# KiCad board Farallon EtherMac LC Comm Slot Card 10Base-T v1.2D.kicad_pcb
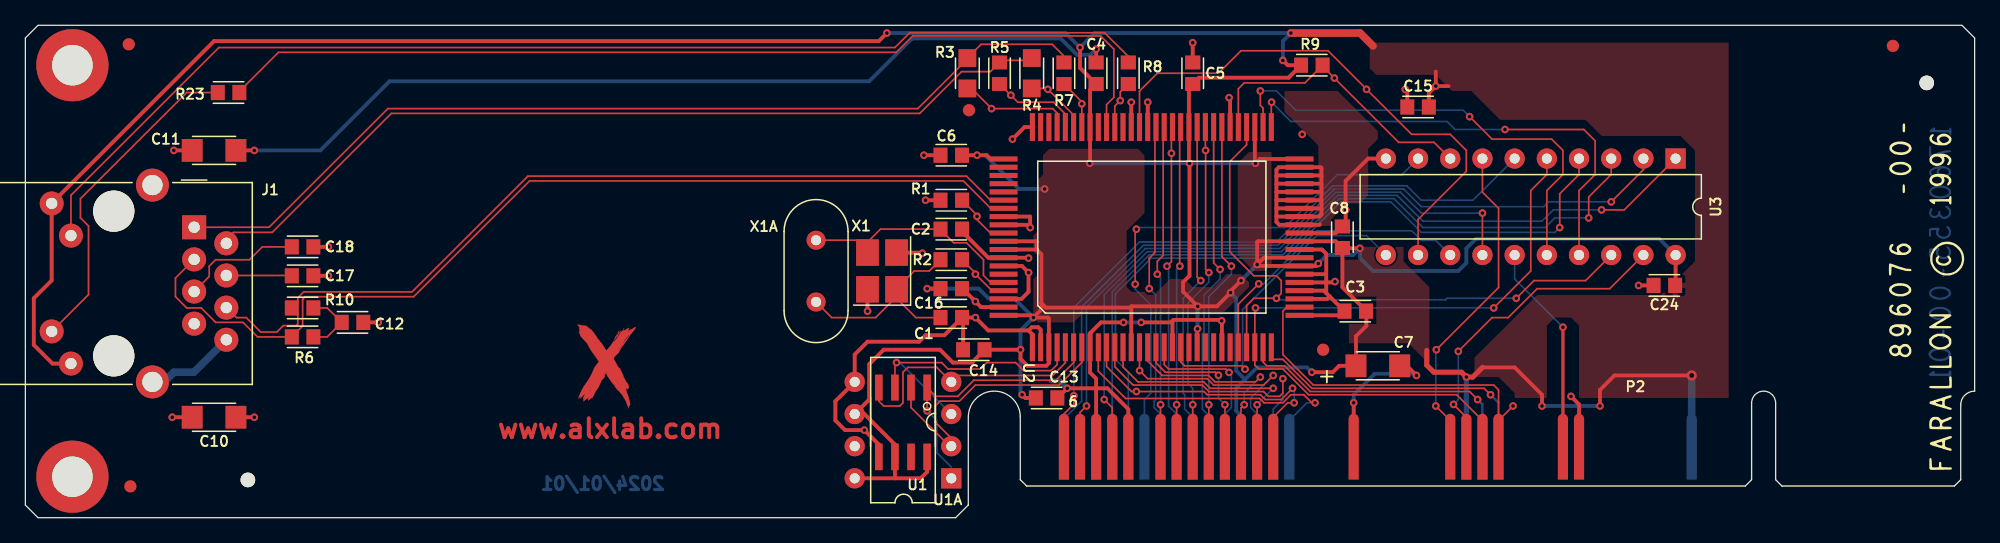
[diagram p0: board, top side]
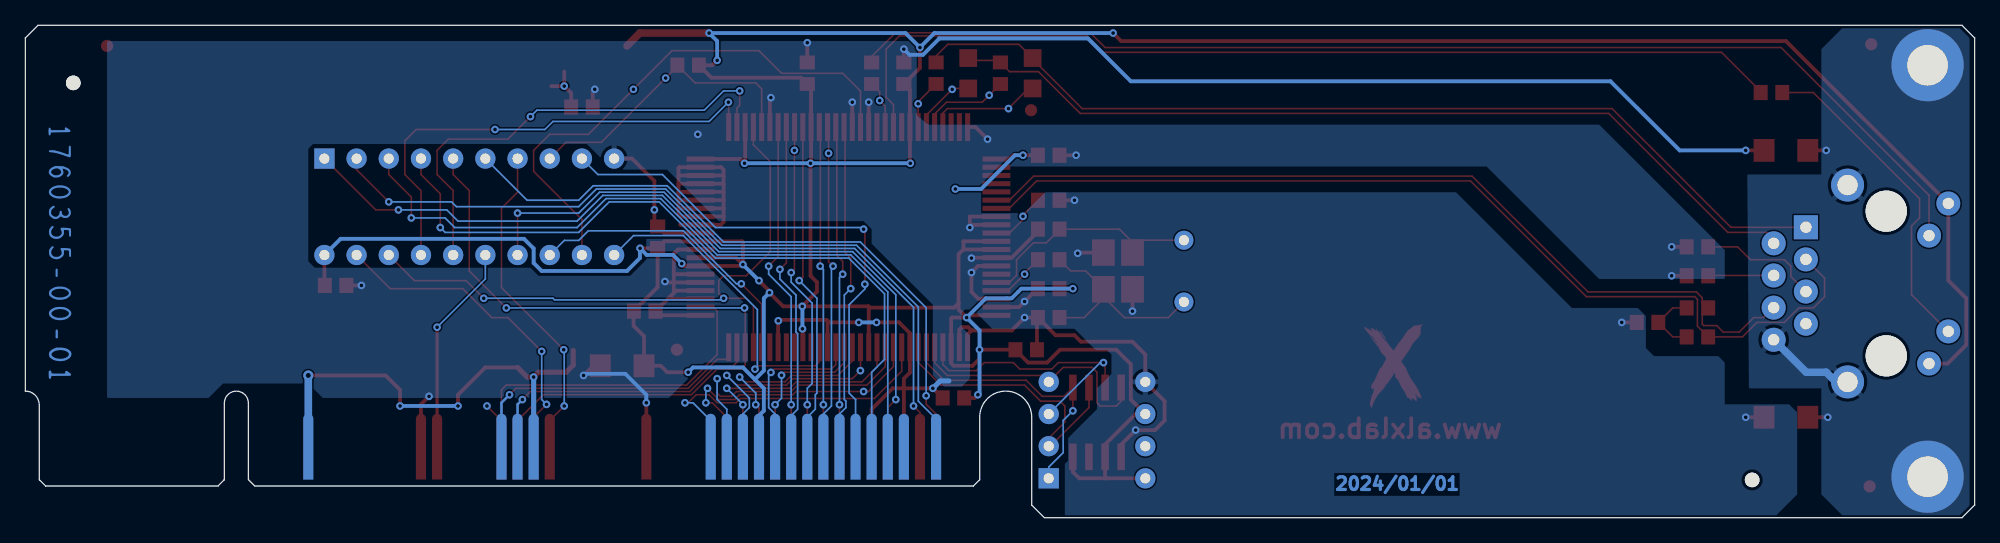
[diagram p1: board, bottom side, seen from below]

Outline 153.8 x 38.9 mm; copper layers: Top, Bottom. Coordinates in mm from the lower left corner of the outline.
Outline path: 0,37.9 0,1 1,0 73.4,0 74.4,1 74.4,7.95 arc(76.45,10) 78.5,7.95 78.5,3 79,2.5 135.7,2.5 136.2,3 136.2,9.05 arc(137.15,10) 138.1,9.05 138.1,3 138.6,2.5 152.2,2.5 152.7,3 152.7,8.9 arc(153.02,9.68) 153.8,10 153.8,37.9 152.8,38.9 1,38.9 0,37.9
Stack: Top 0.035mm / dielectric 1.51mm FR4 er 4.5 / Bottom 0.035mm

## Placement (name value [footprint] x y rotation side)
C1  22pf  [Farallon_C_0603_1608Metric_Pad1.10x1.20mm_HandSolder]  73.06 15.81 0 top
C2  22pf  [Farallon_C_0603_1608Metric_Pad1.10x1.20mm_HandSolder]  73.06 22.79 180 top
C3  0.1uf  [Farallon_C_0603_1608Metric_Pad1.10x1.20mm_HandSolder]  104.93 16.32 0 top
C4  0.1uf  [Farallon_C_0603_1608Metric_Pad1.10x1.20mm_HandSolder]  84.49 35.11 270 top
C5  0.1uf  [Farallon_C_0603_1608Metric_Pad1.10x1.20mm_HandSolder]  92.11 35.11 270 top
C6  0.1uf  [Farallon_C_0603_1608Metric_Pad1.10x1.20mm_HandSolder]  73.06 28.64 0 top
C7  100uf 6.3V  [Farallon_C_1206_3216Metric_Pad1.65x1.80mm_HandSolder]  106.71 12 0 top
C8  0.1uf  [Farallon_C_0603_1608Metric_Pad1.10x1.20mm_HandSolder]  103.92 22.16 270 top
C10  1nf 2kv  [Farallon_C_1206_3216Metric_Pad1.65x1.80mm_HandSolder]  14.89 7.94 0 top
C11  1nf 2kv  [Farallon_C_1206_3216Metric_Pad1.65x1.80mm_HandSolder]  14.89 29.02 0 top
C12  0.1uf  [Farallon_C_0603_1608Metric_Pad1.10x1.20mm_HandSolder]  25.81 15.43 0 top
C13  0.1uf  [Farallon_C_0603_1608Metric_Pad1.10x1.20mm_HandSolder]  80.58 9.46 0 top
C14  0.1uf  [Farallon_C_0603_1608Metric_Pad1.10x1.20mm_HandSolder]  74.83 13.27 0 top
C15  0.1uf  [Farallon_C_0603_1608Metric_Pad1.10x1.20mm_HandSolder]  109.89 32.45 0 top
C16  0.1uf  [Farallon_C_0603_1608Metric_Pad1.10x1.20mm_HandSolder]  73.06 18.1 180 top
C17  0.1uf  [Farallon_C_0603_1608Metric_Pad1.10x1.20mm_HandSolder]  21.87 19.11 0 top
C18  0.1uf  [Farallon_C_0603_1608Metric_Pad1.10x1.20mm_HandSolder]  21.87 21.4 0 top
C24  0.1uf  [Farallon_C_0603_1608Metric_Pad1.10x1.20mm_HandSolder]  129.32 18.35 0 top
G***  LOGO  [logo_7_front]  45.88 11.75 0 top
G***#2  LOGO  [Farallon_EtherMac_LC_Comm_Card_Back_Number]  151.03 20.89 90 top
G***#3  LOGO  [Farallon_EtherMac_LC_Comm_Card_Front_Text]  150.02 17.46 90 top
H1  MountingHole_Pad  [MountingHole_3.2mm_M3_ISO7380_Pad_TopBottom]  3.71 35.75 0 top
H2  MountingHole_Pad  [MountingHole_3.2mm_M3_ISO7380_Pad_TopBottom]  3.71 3.24 0 top
J1  J0011D21BNL  [RJ45_Pulse_J0011D21xNL]  13.32 22.95 270 top
P2  -  [Farallon_EtherMac_LC_Comm_Card_BUS_Apple_Macintosh_Comm_Slot_I]  118.7 5.51 0 top
R1  22.1k  [Farallon_R_0603_1608Metric_Pad1.10x1.20mm_HandSolder]  73.06 25.08 0 top
R2  243  [Farallon_R_0603_1608Metric_Pad1.10x1.20mm_HandSolder]  73.06 20.38 0 top
R3  61.9  [Farallon_R_0805_2012Metric_Pad1.40x1.40mm_HandSolder]  74.33 35.11 270 top
R4  61.9  [Farallon_R_0805_2012Metric_Pad1.40x1.40mm_HandSolder]  79.41 35.11 270 top
R5  243  [Farallon_R_0603_1608Metric_Pad1.10x1.20mm_HandSolder]  76.87 35.11 270 top
R6  50  [Farallon_R_0603_1608Metric_Pad1.10x1.20mm_HandSolder]  21.87 14.29 0 top
R7  243  [Farallon_R_0603_1608Metric_Pad1.10x1.20mm_HandSolder]  81.95 35.11 90 top
R8  330  [Farallon_R_0603_1608Metric_Pad1.10x1.20mm_HandSolder]  87.03 35.11 90 top
R9  243  [Farallon_R_0603_1608Metric_Pad1.10x1.20mm_HandSolder]  101.5 35.75 180 top
R10  50  [Farallon_R_0603_1608Metric_Pad1.10x1.20mm_HandSolder]  21.87 16.57 0 top
R23  330  [Farallon_R_0603_1608Metric_Pad1.10x1.20mm_HandSolder]  16.03 33.59 180 top
REF**  -  [JLCPCB_Tooling_Hole]  150.02 34.35 0 top
REF**#2  -  [JLCPCB_Tooling_Hole]  17.56 2.98 0 top
U1  93C46C  [Farallon_SOIC-8_3.9x4.9mm_P1.27mm]  69.25 7.55 270 top
U1A1  93C46C  [Farallon_DIP-8_W7.62mm]  73.06 3.11 180 top
U2  SMC91C94QFP  [PQFP-100_14x20mm_P0.65mm_LongPad]  88.88 22.16 90 top
U3  GAL16V8  [Farallon_DIP-20_W7.62mm]  130.21 28.37 270 top
X1  20Mhz 16pf  [Crystal_SMD_3225-4Pin_3.2x2.5mm_HandSoldering]  67.59 19.49 90 top
X1A1  20Mhz 16pf  [Crystal_HC49-U_Vertical]  62.39 17.04 90 top

## Library data of the parts
C1 C2 = -: LCSC: C1653; ki_fp_filters: C_*
C3-C6 C8 C12-C18 C24 = -: LCSC: C14663; ki_fp_filters: C_*
C7 = -: LCSC: C15008; ki_fp_filters: C_*
C10 C11 = -: LCSC: C9196; ki_fp_filters: C_*
H1 H2 = -: ki_fp_filters: MountingHole*Pad*
J1 = -: Datasheet: https://productfinder.pulseeng.com/doc_type/WEB301/doc_num/J403/doc_part/J403.pdf; Description: 1 Port RJ45 Magjack Connector Through Hole 10/100 Base-T, AutoMDIX, PulseJack; ki_fp_filters: RJ45*Amphenol*RJMG1BD3B8K1ANR*
P2 = -: ki_fp_filters: LQFP*14x14mm*P0.5mm*
R1 = -: LCSC: C31850; ki_fp_filters: R_*
R2 R5 R7 R9 = -: LCSC: C706060; ki_fp_filters: R_*
R3 R4 = -: LCSC: C322537; ki_fp_filters: R_*
R6 R10 = -: LCSC: C23185; ki_fp_filters: R_*
R8 R23 = -: LCSC: C23138; ki_fp_filters: R_*
U1 = -: Description: Serial EEPROM, 93 Series, with ORG Pin, 5.0V, DIP-8/SOIC-8
U1A1 = -: Datasheet: http://ww1.microchip.com/downloads/en/DeviceDoc/20001749K.pdf; LCSC: C5289485; ki_fp_filters: DIP*W7.62mm* SOIC*3.9x4.9mm*
U2 = -: Datasheet: https://www.datasheets360.com/pdf/8063401169153099823; LCSC: C639503; ki_fp_filters: LQFP*14x14mm*P0.5mm*
U3 = -: ki_fp_filters: DIP* PDIP* SOIC* SO* PLCC*
X1 = -: LCSC: C2848211; ki_fp_filters: Crystal*
X1A1 = -: ki_fp_filters: Crystal*

## Footprints (pads in the part's own frame, mm; a bottom-side part is the same pattern mirrored in y, then rotated)
Crystal_HC49-U_Vertical
  round 1.5 hole 0.8: 1(0,0) 2(4.88,0)
Crystal_SMD_3225-4Pin_3.2x2.5mm_HandSoldering
  rect 2.1x1.8 smd: 1(-1.45,-1.15) 2(1.45,-1.15) 3(1.45,1.15) 4(-1.45,1.15)
Farallon_C_0603_1608Metric_Pad1.10x1.20mm_HandSolder
  rect 1.1x1.2 smd: 1(-0.85,0) 2(0.85,0)
Farallon_C_1206_3216Metric_Pad1.65x1.80mm_HandSolder
  rect 1.65x1.8 smd: 1(-1.725,0) 2(1.725,0)
Farallon_DIP-8_W7.62mm
  rect 1.6x1.6 hole 0.8: 1(0,0)
  oval 1.6x1.6 hole 0.8: 2(0,-2.54) 3(0,-5.08) 4(0,-7.62) 5(7.62,-7.62) 6(7.62,-5.08) 7(7.62,-2.54) 8(7.62,0)
Farallon_DIP-20_W7.62mm
  rect 1.6x1.6 hole 0.8: 1(0,0)
  oval 1.6x1.6 hole 0.8: 2(0,-2.54) 3(0,-5.08) 4(0,-7.62) 5(0,-10.16) 6(0,-12.7) 7(0,-15.24) 8(0,-17.78) 9(0,-20.32) 10(0,-22.86) 11(7.62,-22.86) 12(7.62,-20.32) 13(7.62,-17.78) 14(7.62,-15.24) 15(7.62,-12.7) 16(7.62,-10.16) 17(7.62,-7.62) 18(7.62,-5.08) 19(7.62,-2.54) 20(7.62,0)
Farallon_EtherMac_LC_Comm_Card_BUS_Apple_Macintosh_Comm_Slot_I
  rrect 0.8x5.2 smd far side: 5(-36.755,0.1) 9(-34.215,0.1) 11(-32.945,0.1) 13(-31.675,0.1) 15(-30.405,0.1) 17(-29.135,0.1) 19(-27.865,0.1) 21(-26.595,0.1) 23(-25.325,0.1) 25(-24.055,0.1) 27(-22.785,0.1) 29(-21.515,0.1) 31(-20.245,0.1) 33(-18.975,0.1) 55(-5.005,0.1) 57(-3.735,0.1) 59(-2.465,0.1) 83(12.775,0.1)
  rrect 0.8x5.2 smd: 6(-36.755,0.1) 8(-35.485,0.1) 10(-34.215,0.1) 12(-32.945,0.1) 14(-31.675,0.1) 18(-29.135,0.1) 20(-27.865,0.1) 22(-26.595,0.1) 24(-25.325,0.1) 26(-24.055,0.1) 28(-22.785,0.1) 30(-21.515,0.1) 32(-20.245,0.1) 42(-13.895,0.1) 54(-6.275,0.1) 56(-5.005,0.1) 58(-3.735,0.1) 60(-2.465,0.1) 68(2.615,0.1) 70(3.885,0.1)
Farallon_R_0603_1608Metric_Pad1.10x1.20mm_HandSolder
  rect 1.1x1.2 smd: 1(-0.85,0) 2(0.85,0)
Farallon_R_0805_2012Metric_Pad1.40x1.40mm_HandSolder
  rect 1.4x1.4 smd: 1(-1.2,0) 2(1.2,0)
Farallon_SOIC-8_3.9x4.9mm_P1.27mm
  rect 2.05x0.6 smd: 1(-2.725,1.905) 2(-2.725,0.635) 3(-2.725,-0.635) 4(-2.725,-1.905)
  rect 2.1x0.6 smd: 5(2.75,-1.905) 6(2.75,-0.635) 7(2.75,0.635) 8(2.75,1.905)
JLCPCB_Tooling_Hole
  round 1.152 hole 1.152 unplated: (0,0)
MountingHole_3.2mm_M3_ISO7380_Pad_TopBottom
  round 3.6 hole 3.2: 1(0,0)
  round 5.7 smd: 1(0,0)
  round 5.7 smd far side: 1(0,0)
PQFP-100_14x20mm_P0.65mm_LongPad
  rect 2.2x0.4 smd: 1(-8.7,9.425) 2(-8.7,8.775) 3(-8.7,8.125) 4(-8.7,7.475) 5(-8.7,6.825) 6(-8.7,6.175) 7(-8.7,5.525) 8(-8.7,4.875) 9(-8.7,4.225) 10(-8.7,3.575) 11(-8.7,2.925) 12(-8.7,2.275) 13(-8.7,1.625) 14(-8.7,0.975) 15(-8.7,0.325) 16(-8.7,-0.325) 17(-8.7,-0.975) 18(-8.7,-1.625) 19(-8.7,-2.275) 20(-8.7,-2.925) 21(-8.7,-3.575) 22(-8.7,-4.225) 23(-8.7,-4.875) 24(-8.7,-5.525) 25(-8.7,-6.175) 26(-8.7,-6.825) 27(-8.7,-7.475) 28(-8.7,-8.125) 29(-8.7,-8.775) 30(-8.7,-9.425) 51(8.7,-9.425) 52(8.7,-8.775) 53(8.7,-8.125) 54(8.7,-7.475) 55(8.7,-6.825) 56(8.7,-6.175) 57(8.7,-5.525) 58(8.7,-4.875) 59(8.7,-4.225) 60(8.7,-3.575) 61(8.7,-2.925) 62(8.7,-2.275) 63(8.7,-1.625) 64(8.7,-0.975) 65(8.7,-0.325) 66(8.7,0.325) 67(8.7,0.975) 68(8.7,1.625) 69(8.7,2.275) 70(8.7,2.925) 71(8.7,3.575) 72(8.7,4.225) 73(8.7,4.875) 74(8.7,5.525) 75(8.7,6.175) 76(8.7,6.825) 77(8.7,7.475) 78(8.7,8.125) 79(8.7,8.775) 80(8.7,9.425)
  rect 0.4x2.2 smd: 31(-6.175,-11.65) 32(-5.525,-11.65) 33(-4.875,-11.65) 34(-4.225,-11.65) 35(-3.575,-11.65) 36(-2.925,-11.65) 37(-2.275,-11.65) 38(-1.625,-11.65) 39(-0.975,-11.65) 40(-0.325,-11.65) 41(0.325,-11.65) 42(0.975,-11.65) 43(1.625,-11.65) 44(2.275,-11.65) 45(2.925,-11.65) 46(3.575,-11.65) 47(4.225,-11.65) 48(4.875,-11.65) 49(5.525,-11.65) 50(6.175,-11.65) 81(6.175,11.7) 82(5.525,11.7) 83(4.875,11.7) 84(4.225,11.7) 85(3.575,11.7) 86(2.925,11.7) 87(2.275,11.7) 88(1.625,11.7) 89(0.975,11.7) 90(0.325,11.7) 91(-0.325,11.7) 92(-0.975,11.7) 93(-1.625,11.7) 94(-2.275,11.7) 95(-2.925,11.7) 96(-3.575,11.7) 97(-4.225,11.7) 98(-4.875,11.7) 99(-5.525,11.7) 100(-6.175,11.7)
RJ45_Pulse_J0011D21xNL
  round 3.25 hole 3.25 unplated: (-1.27,-6.34) (10.16,-6.34)
  rect 1.9x1.9 hole 0.9: 1(0,0)
  round 1.9 hole 0.9: 2(1.27,2.54) 3(2.54,0) 4(3.81,2.54) 5(5.08,0) 6(6.35,2.54) 7(7.62,0) 8(8.89,2.54)
  round 1.89 hole 0.89: 9(-1.88,-11.24) 10(0.66,-9.72) 11(8.23,-11.24) 12(10.77,-9.72)
  round 2.6 hole 1.6: SH(-3.33,-3.29) SH(12.22,-3.29)

## Nets
+5V: C3.2 C4.2 C5.2 C6.2 C7.1 C8.2 C13.1 C14.2 C15.2 C16.2 C24.2 J1.9 J1.12 P2.27 P2.55 P2.83 R9.2 U1.6 U1.8 U1A1.6 U1A1.8 U2.3 U2.13 U2.21 U2.37 U2.38 U2.40 U2.50 U2.53 U2.61 U2.73 U2.81 U2.91 U2.92 U2.100 U3.20
GND: C1.2 C2.1 C3.1 C4.1 C5.1 C6.1 C7.2 C8.1 C10.2 C11.2 C12.2 C13.2 C14.1 C15.1 C16.1 C17.2 C18.2 C24.1 P2.10 P2.14 P2.42 P2.70 R1.1 U1.5 U1A1.5 U2.1 U2.2 U2.8 U2.18 U2.24 U2.31 U2.33 U2.34 U2.35 U2.36 U2.39 U2.41 U2.42 U2.43 U2.44 U2.45 U2.46 U2.47 U2.48 U2.49 U2.56 U2.66 U2.68 U2.80 U2.88 U2.89 U2.93 U2.94 U2.98 U2.99 U3.10 X1.2 X1.4
//DS: P2.6 U3.6
//DSACK1: P2.8 U3.14
//IO.CS.DSACL: P2.54 U3.7
//RESET: P2.15 U3.9
//SACTO.IRQ: P2.56 U3.19
/A0: P2.58 U2.28 U3.5
/A1: P2.57 U2.29
/A2: P2.59 U2.30
/A3: P2.60 U2.32
/A11c: P2.68 U3.15
/BALE/nWE: U2.27 U2.54 U3.18
/C16M: P2.12 U3.1
/D0: P2.24 U2.57
/D1: P2.23 U2.58
/D2: P2.22 U2.59
/D3: P2.21 U2.60
/D4: P2.20 U2.62
/D5: P2.19 U2.63
/D6: P2.18 U2.64
/D7: P2.17 U2.65
/D8: P2.33 U2.9
/D9: P2.32 U2.10
/D10: P2.31 U2.11
/D11: P2.30 U2.12
/D12: P2.29 U2.14
/D13: P2.28 U2.15
/D14: P2.26 U2.16
/D15: P2.25 U2.17
/EECS: U1.1 U1A1.1 U2.6
/EED0: U1.3 U1A1.3 U2.4
/EEDI: U1.4 U1A1.4 U2.5
/EESK: U1.2 U1A1.2 U2.7
/INTR0: U2.19 U3.11
/IOSIZE(0): P2.11 U3.3
/IOSIZE(1): P2.13 U3.4
/nIORD: U2.51 U3.17
/nIOWR: U2.52 U3.16
/nLNKLED: R8.1 U2.70
/nRXLED: R23.1 U2.71
/nSBHE/nCE2: U2.26 U3.13
/nWAIT: R9.1 U2.55 U3.8
/RD+: J1.3 R6.1 U2.87
/RD-: J1.6 R10.1 U2.86
/RESET: U2.67 U3.12
/RW: P2.5 U3.2
/SHIELD: C10.1 C11.1 H1.1 H2.1 J1.8 J1.SH
/TD+: J1.1 R3.1 R7.2
/TD-: J1.2 R4.1 R5.1
Net-(C1-Pad1): C1.1 R2.1 X1.1 X1A1.1
Net-(C12-Pad1): C12.1 R6.2 R10.2
Net-(J1-GLED-): J1.10 R8.2
Net-(J1-RCT): C18.1 J1.5
Net-(J1-TCT): C17.1 J1.4
Net-(J1-YLED-): J1.11 R23.2
Net-(U2-RBIAS): R1.2 U2.90
Net-(U2-TPETXDN): R5.2 U2.76
Net-(U2-TPETXDP): R7.1 U2.74
Net-(U2-TPETXN): R4.2 U2.75
Net-(U2-TPETXP): R3.2 U2.77
Net-(U2-XTAL1): C2.2 U2.96 X1.3 X1A1.2
Net-(U2-XTAL2): R2.2 U2.97

Pads without a net: J1 7; P2 9; U1 7; U1A1 7; U2 20 22 23 25 69 72 78 79 82 83 84 85 95

## Via types
v1: diameter 0.6, hole 0.3, Top to Bottom, 127 vias
v2: diameter 0.8, hole 0.4, Top to Bottom, 1 via

## Routing (per net, layer and track width the routed paths; a pad name or vN(x,y) marks a point on that pad's centre or on a via; arc(x,y) is an arc through that point)
+5V: length 421.8
  Top w0.3: v1(124.24,8.82) 124.24,10.09 125.38,11.24 v2(131.48,11.24) ; U1A1.6 65.44,8.21 ; U1A1.6 66.58,9.33 66.58,12.13 67.72,13.27 72.17,13.27 73.18,12.25 74.68,12.25 75.7,13.27 v1(78.52,13.27) 78.52,12.55 79.07,12 80.55,12 80.76,12.21 U2.3 80.76,15.73 80.68,15.81 v1(79.53,15.81) ; U1A1.6 66.2,8.19 68.61,5.78 68.61,3.11 ; v1(92.5,16.7) 87.28,16.7 ; v1(92.5,16.7) 94.01,16.7 v1(95.09,17.78) 95.09,17.91 v1(95.92,18.73) ; v1(92.5,16.7) 91.34,17.86 91.34,18.6 91.85,19.11 v1(91.85,28) 91.81,28.05 91.81,33.96 92.6,34.76 99.66,34.76 R9.2 99.6,35.75 v1(99.22,36.13) ; 87.28,16.7 87.26,16.68 87.26,13.36 ; 87.28,16.7 87.18,16.59 80.53,16.59 80.17,16.95 ; 65.42,3.11 70.64,3.11 71.15,3.62 U1.8 ; v1(83.22,37.15) 83.22,35.53 C4.2 84.01,33.78 84.01,28.03 v1(83.98,28) 83.93,28.05 ; v1(97.19,20) 97.72,20.54 U2.38 ; v1(97.19,20) 97.19,21.78 97.24,21.84 103.39,21.84 103.94,21.28 v1(105.3,21.28) ; v1(97.19,20) 97.3,19.89 U2.37 101.82,19.89 v1(102.01,20.08) ; v1(111.28,34.1) 110.74,33.55 C15.2 ; v1(111.28,34.1) 111.28,35.24 ; v1(111.28,34.1) 112.3,34.1 ; U2.92 79.79,21.19 ; 79.79,21.19 80.17,20.81 80.17,16.95 ; 79.79,21.19 79.79,21.84 U2.91 ; C6.2 v1(75.09,28.64) 75.85,28.64 76.15,28.34 U2.81 ; v1(79.53,15.81) 79.35,15.99 U2.100 ; v1(79.53,15.81) 80.17,16.44 80.17,16.95 ; v1(78.64,9.71) 78.9,9.46 C13.1 ; 92.46,13.36 92.46,14.89 v1(92.49,14.92) 92.38,14.81 ; v1(101.5,11.49) 103.15,11.49 103.66,12 C7.1 104.99,14.34 105.81,15.16 105.81,16.32 103.92,18.21 103.92,20.98 104.2,21.26 ; 2.08,24.84 14.89,37.65 67.34,37.65 v1(67.98,38.29) ; J1.12 2.14,12.18 0.67,13.65 0.67,17.33 2.08,18.74 J1.9 ; v1(119.66,8.82) 119.66,9.71 117.51,11.87 114.97,11.87 ; U3.20 130.21,18.39 C24.2 ; U2.53 97.01,28.05 v1(97.06,28) 97.39,28.34 U2.50 ; v1(71.15,18.1) C16.2
  Top w0.4: 114.97,11.87 114.2,11.11 v1(113.7,11.11) 113.31,11.49 111.13,11.49 110.57,12.05 110.57,13.22
  Top w0.6: 106.33,37.27 105.31,38.29 v1(99.85,38.29)
  Bottom w0.3: v1(78.64,9.71) 78.52,9.84 v1(78.52,13.27) 78.52,14.79 v1(79.53,15.81) 78.01,17.33 75.98,17.33 75.21,18.1 v1(71.15,18.1) ; v1(92.5,16.7) 92.49,16.68 v1(92.49,14.92) ; 96.23,10.92 95.53,11.62 95.53,17.33 v1(95.09,17.78) ; 96.23,10.92 97.19,11.87 101.12,11.87 v1(101.5,11.49) ; 96.23,10.92 95.53,10.22 95.53,8.44 95.91,8.06 95.91,5.9 ; v1(95.92,18.73) v1(97.19,20) ; v1(75.09,28.64) 75.72,28.64 78.39,25.97 v1(80.42,25.97) ; v1(67.98,38.29) 82.07,38.29 v1(83.22,37.15) 84.36,38.29 v1(99.85,38.29) 99.22,37.65 v1(99.22,36.13) ; v1(119.66,8.82) v1(124.24,8.82) ; U3.20 128.93,22.03 114.46,22.03 113.7,21.27 113.7,20.13 113.06,19.49 106.33,19.49 105.31,20.51 105.31,21.27 v1(105.3,21.28) 104.78,20.76 102.7,20.76 v1(102.01,20.08) ; v1(97.06,28) v1(91.85,28) v1(83.98,28)
  Bottom w0.4: v1(113.69,11.11) 113.69,5.9
  Bottom w0.6: 131.47,5.9 131.47,11.24 v2(131.48,11.24)
GND: length 268.3
  Top w0.127: 74.92,17.08 v1(74.96,17.08) 74.96,17.04
  Top w0.3: C12.2 v1(27.84,15.43) ; 100.68,26.39 102.23,26.39 102.27,26.35 ; v1(86.64,15.43) 84.86,15.43 84.01,14.57 84.01,11.46 84.49,10.98 84.49,10.35 84.49,10.35 84.49,5.9 ; U2.56 95.06,33.1 v1(94.98,33.18) ; v1(77.88,29.91) 78.84,30.86 U2.80 ; 92.11,36.47 v1(92.11,37.53) ; C1.2 v1(74.96,15.81) 75.98,14.79 79.15,14.79 ; C1.2 72.51,14.41 71.02,14.41 70.52,13.9 66.45,13.9 65.44,12.89 U1A1.5 63.91,9.21 63.91,7.68 64.67,6.92 v1(66.2,6.92) 67.34,5.78 U1.5 ; C1.2 73.98,15.73 C14.1 ; C1.2 73.92,15.81 ; 102.64,17.75 102.9,17.49 ; 102.64,17.75 102.45,17.94 U2.34 ; 102.64,17.75 102.64,20.85 102.3,21.19 U2.39 ; 102.9,17.49 102.7,17.29 100.68,17.29 ; 102.9,17.49 104.06,16.33 104.06,16.32 103.73,15.99 U2.31 ; 90.58,15.62 90.39,15.43 v1(88.04,15.43) ; 90.58,15.62 94.32,15.62 v1(94.39,15.56) 94.41,15.54 U2.24 ; 90.58,15.62 90.51,15.55 U2.18 ; 79.15,14.79 79.46,14.49 U2.1 ; 79.15,14.79 79.41,15.05 79.91,15.05 80.11,14.85 U2.2 ; 87.03,5.9 87.03,8.57 85.37,10.22 v1(82.2,10.22) 81.44,9.46 C13.2 ; C15.1 109.04,33.68 v1(108.87,33.84) ; v1(88.56,32.83) U2.66 ; U2.98 78.6,17.29 79.15,17.84 v1(79.15,19.37) 78.63,19.89 U2.94 ; 102.27,26.35 102.27,26.99 ; 102.27,26.35 102.27,25.72 ; 102.27,26.99 102.27,27.62 102.2,27.69 U2.49 ; 102.27,26.99 102.21,27.04 U2.48 98.76,27.04 98.71,26.99 ; 98.71,25.08 98.72,25.09 U2.45 ; 98.71,25.08 98.71,24.45 ; 98.71,25.08 98.71,25.72 ; U2.89 79.06,23.14 v1(79.28,22.92) 79.28,23.79 U2.88 ; P2.42 104.81,9.08 v1(104.81,9.08) ; C17.2 v1(23.91,19.11) ; U2.99 75.4,16.64 v1(74.96,17.08) 73.94,18.1 C16.1 ; C6.1 v1(70.9,28.64) ; 102.26,25.09 102.27,25.08 102.27,24.45 ; 102.26,25.09 102.26,25.71 102.27,25.72 ; 102.26,25.09 100.68,25.09 ; 98.71,26.35 98.75,26.39 U2.47 ; 98.71,26.35 98.71,26.99 ; 98.71,26.35 98.71,25.72 ; C18.2 v1(23.91,21.4) ; v1(70.77,20.89) 70.72,20.94 X1.2 ; 102.27,24.45 102.26,24.44 U2.44 98.72,24.44 98.71,24.45 ; 102.27,24.45 102.27,23.94 102.12,23.79 U2.43 98.73,23.79 98.71,23.81 ; 102.27,25.72 102.24,25.74 100.68,25.74 ; 98.71,24.45 98.71,23.81 ; 66.45,18.04 X1.4 66.44,16.32 v1(66.45,16.32) ; C2.1 73.91,22.61 75.98,20.54 79.12,20.54 v1(79.15,20.51) ; v1(121.95,9.59) 122.59,8.95 122.59,5.9 ; 98.71,26.99 98.71,27.49 98.9,27.69 100.55,27.69 ; U2.46 98.73,25.74 98.71,25.72 ; 98.71,23.81 98.71,23.37 98.94,23.14 U2.42 102.1,23.14 102.14,23.18 ; C10.2 v1(18.06,7.94) ; U2.35 103.27,18.59 ; U2.36 102.64,19.24 ; C7.2 109,12 v1(109.76,11.24) ; C24.1 v1(127.28,18.35) ; U2.41 103.39,22.49 104.17,23.26 v1(104.17,24.32) 104.17,26.6 105.94,28.37 U3.10 ; R1.1 v1(71.02,25.08) ; v1(87.26,32.83) U2.68 ; 84.49,36.48 v1(84.49,37.02) ; C11.2 v1(18.06,29.02)
  Top w0.4: 103.27,18.59 v1(103.33,18.65) ; 81.44,9.47 C13.2
  Bottom w0.3: v1(18.06,29.02) 23.27,29.02 28.73,34.48 66.58,34.48 69.96,37.86 81.69,37.86 81.69,37.85 82.98,36.57 84.04,36.57 v1(84.49,37.02) ; v1(104.81,9.08) 104.81,9.71 106.46,11.36 109.63,11.36 v1(109.76,11.24) ; v1(86.64,15.43) v1(88.04,15.43)
  Bottom w0.4: 80.93,10.81 81.62,10.81 v1(82.2,10.22)
  vias: v1(100.74,30.29)
//DS: length 51.9
  Top w0.127: v1(82.73,9.63) 82.73,8.97 81.94,8.19 P2.6
  Bottom w0.127: v1(82.73,9.63) 82.73,16.59 87.91,21.78 98.71,21.78 103.15,26.22 109,26.22 110.14,25.08 114.21,25.08 U3.6
//DSACK1: length 50.2
  Top w0.127: v1(83.72,8.82) 83.22,8.32 83.22,5.61 ; v1(114.97,24.06) U3.14
  Bottom w0.127: v1(83.72,8.82) 83.72,16.62 88.37,21.27 98.96,21.27 103.41,25.72 108.49,25.72 110.14,24.06 v1(114.97,24.06)
//IO.CS.DSACL: length 25.5
  Top w0.127: 112.43,5.9 112.43,7.68 v1(111.28,8.82) ; U3.7 114.97,25.72 116.24,24.45 116.24,18.18 v1(111.32,13.27)
  Bottom w0.127: v1(111.32,13.27) 111.28,13.23 v1(111.28,8.82)
//RESET: length 42.2
  Top w0.127: v1(87.66,22.79) 87.56,22.7 v1(87.56,18.45)
  Bottom w0.127: 88.29,5.9 88.29,9.33 88.8,9.84 88.8,16.83 87.56,18.07 v1(87.56,18.45) ; v1(87.66,22.79) 87.79,22.92 99.34,22.92 103.54,27.11 108.63,27.11 U3.9
//SACTO.IRQ: length 25.7
  Top w0.127: U3.19 125.01,18.1 119.28,18.1 117,15.81 115.73,15.81 v1(113.06,13.14) 113.19,13.14 ; 113.69,5.9 113.69,7.94 v1(112.68,8.95)
  Bottom w0.127: v1(112.68,8.95) 113.06,9.33 v1(113.06,13.14)
/A0: length 58.4
  Top w0.127: 97.01,13.44 97.01,16.52 v1(97.06,16.57) ; v1(115.85,16.57) 118.78,19.49 118.78,25.84 120.05,27.11 U3.5 ; 114.97,5.9 114.97,7.68 112.93,9.71 101.25,9.71 99.22,11.75 97.31,11.75 97.01,12.05 U2.28
  Bottom w0.127: v1(115.85,16.57) v1(97.06,16.57)
/A1: length 22.9
  Top w0.127: U2.29 97.66,12.29 97.95,12 99.34,12 101.38,9.97 113.95,9.97 v1(114.58,9.33)
  Bottom w0.2: v1(114.58,9.33) 114.97,8.95 114.97,5.9
/A2: length 23.5
  Top w0.127: U2.30 98.31,12.53 98.33,12.51 99.22,12.51 101.5,10.22 115.09,10.22 v1(115.6,9.71)
  Bottom w0.2: 116.24,5.9 116.24,9.08 v1(115.6,9.71)
/A3: length 27.1
  Top w0.127: v1(117.38,8.82) 116.24,7.68 116.24,10.1 115.85,10.48 101.63,10.48 99.22,12.89 99.22,16.32 99.54,16.64 U2.32
/A11c: length 16.4
  Top w0.25: v1(121.31,15.05) 121.31,5.9
  Bottom w0.127: U3.15 117.51,18.86 v1(121.31,15.05)
/BALE/nWE: length 50.8
  Top w0.127: U2.27 96.36,16.76 96.93,17.33 v1(98.71,17.33) 99.09,17.71 99.09,18.73 98.71,19.11 96.93,19.11 95.03,21.02 95.03,28.13 96.36,29.46 U2.54 ; U3.18 123.1,18.73 119.03,18.73 v1(117.63,17.33)
  Bottom w0.127: v1(117.63,17.33) 112.17,17.33 112.04,17.21 98.84,17.21 v1(98.71,17.33)
/C16M: length 63.2
  Top w0.127: v1(85.12,9.33) 85.75,8.7 85.75,5.9 ; v1(124.36,24.32) 126.15,24.32 U3.1
  Bottom w0.127: v1(124.36,24.32) 120.55,24.32 119.66,23.43 110.27,23.43 108.23,25.46 103.54,25.46 99.09,21.02 88.52,21.02 85.12,17.61 v1(85.12,9.33)
/D0: length 26
  Top w0.127: v1(95.15,19.87) 94.41,20.62 U2.57 ; 93.38,5.9 v1(93.38,8.93)
  Bottom w0.127: v1(95.15,19.87) 95.15,19.24 93.38,17.46 v1(93.38,8.93)
/D1: length 26.1
  Top w0.127: 93.76,30.96 93.76,20.13 v1(94.26,19.62)
  Bottom w0.127: v1(94.26,19.62) 94.26,18.86 92.99,17.59 92.99,14.67 92.87,14.54 92.87,8.57 93.38,8.06 93.38,5.9
/D2: length 26.2
  Top w0.127: 92.1,5.9 92.1,8.93 v1(92.11,8.93) ; v1(93.38,19.37) 93.12,19.62 v1(93.12,29.02) ; 93.11,30.96 93.11,29.03 v1(93.12,29.02) ; v1(93.12,29.02) 93.03,28.92
  Bottom w0.127: v1(92.11,8.93) 92.11,10.22 91.72,10.6 91.72,16.95 93.38,18.6 v1(93.38,19.37)
/D3: length 26.4
  Top w0.127: 92.49,18.98 v1(92.74,18.73) 92.46,19.01 92.46,30.96
  Bottom w0.127: 92.1,5.9 92.1,7.94 91.47,8.57 91.47,9.71 91.34,9.84 91.34,17.33 v1(92.74,18.73)
/D4: length 25.2
  Top w0.127: 91.08,30.96 91.08,19.89 v1(91.09,19.87) ; 90.84,5.9 v1(90.84,8.93)
  Bottom w0.127: v1(90.84,8.93) 90.84,19.62 v1(91.09,19.87)
/D5: length 27.7
  Top w0.127: v1(90.07,19.87) 90.43,20.23 v1(90.43,28.79) 90.43,30.96
  Bottom w0.127: 90.84,8.06 90.84,5.9 90.84,8.19 90.2,8.82 90.2,19.75 v1(90.07,19.87)
/D6: length 25.4
  Top w0.127: 89.56,5.9 89.56,8.93 v1(89.57,8.93) ; 89.78,30.96 89.78,20.72 89.31,20.25 v1(89.31,19.24)
  Bottom w0.127: v1(89.57,8.93) 89.57,18.98 v1(89.31,19.24)
/D7: length 25.7
  Top w0.127: v1(88.68,18.1) 88.68,20.51 89.13,20.96 89.13,30.96
  Bottom w0.127: 89.56,5.9 89.56,8.19 89.06,8.7 89.06,9.21 89.18,9.33 89.18,17.59 v1(88.68,18.1)
/D8: length 24.9
  Top w0.127: v1(101.76,9.08) 101.5,9.08 100.87,9.71 99.85,9.71 99.22,9.08 97.73,9.08 97.39,9.42 86.81,9.42 84.66,11.57 U2.9
  Bottom w0.127: 99.72,5.9 99.72,7.68 101.12,9.08 v1(101.76,9.08)
/D9: length 23
  Top w0.127: U2.10 85.31,11.94 87.28,9.97 v1(87.66,9.97) 92.99,9.97 93.25,9.71 97.45,9.71 97.83,9.33 99.09,9.33 v1(99.98,10.22) ; v1(100.11,9.08) 99.6,9.08 98.46,7.94 98.46,5.9
  Bottom w0.127: v1(100.11,9.08) 100.11,10.09 v1(99.98,10.22)
/D10: length 22.4
  Top w0.127: v1(99.22,10.98) 99.22,9.84 98.96,9.59 98.07,9.59 97.69,9.97 93.38,9.97 92.87,10.48 87.41,10.48 85.96,11.93 U2.11
  Bottom w0.127: v1(99.22,10.98) 99.22,9.33 98.46,8.57 98.46,5.9
/D11: length 18.9
  Top w0.127: U2.12 86.61,11.91 87.79,10.73 92.97,10.73 93.48,10.22 v1(98.46,10.22) ; v1(97.19,8.93) 97.19,8.93 97.19,5.9
  Bottom w0.127: v1(97.19,8.93) 97.19,8.95 v1(98.46,10.22)
/D12: length 19.6
  Top w0.127: v1(87.91,11.62) 87.91,11.63 U2.14 ; v1(87.91,11.62) 87.91,11.75 ; v1(87.91,11.62) 88.55,10.98 93.25,10.98 93.76,10.48 97.69,10.48 v1(98.46,11.24)
  Bottom w0.127: 97.19,5.9 97.19,8.19 96.68,8.7 96.68,9.46 v1(98.46,11.24)
/D13: length 16.7
  Top w0.127: v1(96.17,8.93) 95.91,8.67 95.91,5.9 ; U2.15 88.56,12.37 89.69,11.24 93.35,11.24 93.86,10.73 97.06,10.73 v1(97.44,11.11)
  Bottom w0.127: v1(96.17,8.93) 96.17,9.84 v1(97.44,11.11)
/D14: length 12.2
  Top w0.127: v1(94.65,8.93) 94.65,8.93 94.65,5.9 ; U2.16 89.21,12.23 89.95,11.49 93.9,11.49 v1(94.14,11.26)
  Bottom w0.127: v1(94.14,11.26) 94.14,9.43 v1(94.65,8.93) 94.65,8.95
/D15: length 12.6
  Top w0.127: U2.17 89.86,12.09 90.2,11.75 94.71,11.75 v1(94.98,11.48)
  Bottom w0.127: 94.65,5.9 94.65,8.19 95.15,8.7 95.15,11.24 94.98,11.42 v1(94.98,11.48)
/EECS: length 22.1
  Top w0.127: v1(71.15,8.44) U1.1 71.84,9.59 73.56,9.59 74.83,10.86 81.31,10.86 82.71,12.25 U2.6
  Bottom w0.127: 73.04,3.11 U1A1.1 73.06,4 71.91,5.14 71.91,7.68 v1(71.15,8.44)
/EED0: length 23
  Top w0.127: U1.3 68.61,12.13 v1(68.74,12.25) 72.29,12.25 72.8,11.75 75.34,11.75 75.85,12.25 78.14,12.25 78.77,11.62 80.93,11.62 81.41,12.1 U2.4
  Bottom w0.127: U1A1.3 68.99,12.25 v1(68.74,12.25) ; 72.79,7.95 72.81,7.95
/EEDI: length 20.9
  Top w0.127: U2.5 82.06,12.24 81.06,11.24 73.56,11.24 U1A1.4 71.91,11.87 69.63,11.87 69.25,11.49 69.25,9.08 68.99,8.82 67.72,8.82 67.34,9.21 U1.4
/EESK: length 23.9
  Top w0.127: U2.7 83.36,12.27 81.56,10.48 74.96,10.48 73.69,9.21 72.17,9.21 71.79,8.82 71.79,7.55 73.06,6.28 U1A1.2 72.93,5.65 69.88,8.7 U1.2
/INTR0: length 25.6
  Top w0.127: U2.19 91.16,12.31 91.47,12 95.97,12 v1(96.23,11.74)
  Bottom w0.127: U3.11 105.81,22.29 101.88,22.29 96.04,16.44 96.04,11.93 v1(96.23,11.74)
/IOSIZE(0): length 59.3
  Top w0.127: U3.3 125.13,27.11 123.35,25.33 v1(123.35,23.68)
  Bottom w0.127: v1(123.35,23.68) 120.68,23.68 119.92,22.92 110.27,22.92 107.99,25.21 103.66,25.21 99.22,20.76 88.68,20.76 85.75,17.84 85.75,5.9
/IOSIZE(1): length 57.5
  Top w0.127: v1(121.06,22.92) 121.06,25.59 122.59,27.11 U3.4
  Bottom w0.127: v1(121.06,22.92) 120.68,22.54 110.14,22.54 107.73,24.95 103.79,24.95 99.34,20.51 88.83,20.51 86.01,17.69 86.01,12.51 87.03,11.49 87.03,5.9
/nIORD: length 38.3
  Top w0.127: U2.51 98.31,32.81 v1(98.33,32.83) ; v1(116.74,30.67) 122.97,30.67 123.86,29.78 123.86,27.11 122.59,25.84 U3.17
  Bottom w0.127: v1(116.74,30.67) 112.81,30.67 112.17,31.3 99.85,31.3 v1(98.33,32.83)
/nIOWR: length 37.6
  Top w0.127: v1(113.95,31.68) 115.73,29.91 120.43,29.91 121.32,29.02 121.32,27.11 120.05,25.84 U3.16 ; U2.52 97.66,32.36 97.44,32.57 v1(97.44,33.72)
  Bottom w0.127: v1(97.44,33.72) 98.71,33.72 100.23,32.19 113.44,32.19 v1(113.95,31.68)
/nLNKLED: length 3.8
  Top w0.127: U2.70 85.96,32.52 v1(86.39,32.95) 86.39,33.63 R8.1
/nRXLED: length 77.7
  Top w0.127: R23.1 16.88,33.68 19.97,36.76 68.72,36.76 70.01,38.06 84.84,38.06 85.88,37.02 85.88,33.21 85.31,32.63 U2.71
/nSBHE/nCE2: length 23.3
  Top w0.127: U2.26 95.71,16.87 v1(97.31,18.48)
  Bottom w0.127: v1(97.31,18.48) 97.69,18.48 101.88,22.67 109.38,22.67 110.14,21.91 111.27,21.91 U3.13
/nWAIT: length 23.6
  Top w0.127: U2.55 95.71,33.89 96.17,34.35 100.96,34.35 R9.1 102.35,35.66 v1(103.28,34.73) 108.36,29.65 111.15,29.65 U3.8
/RD+: length 77.5
  Top w0.127: J1.3 11.84,18.93 11.84,17.46 12.73,16.57 13.87,16.57 15.02,15.43 17.18,15.43 18.32,14.29 R6.1 21.87,15.14 21.87,17.25 22.08,17.46 30.64,17.46 39.78,26.6 74.01,26.6 76.18,24.44 U2.87
/RD-: length 69.7
  Top w0.127: U2.86 76.15,25.09 74.25,26.99 39.65,26.99 30.51,17.84 21.96,17.84 21.49,17.37 21.49,17.04 R10.1 21.11,16.57 21.49,16.19 21.49,15.3 21.37,15.17 20.35,15.17 19.84,14.67 18.57,14.67 17.43,15.81 16.67,15.81 15.88,16.6 J1.6 15.88,16.57
/RESET: length 43.1
  Top w0.127: U3.12 109.89,23.56 113.7,27.37 113.7,29.02 112.43,30.29 109.38,30.29 v1(105.82,33.84) 105.82,33.85 102.78,36.89 95.92,36.89 94.14,35.11 89.31,35.11 87.91,33.71 U2.67
/RW: length 62.2
  Top w0.127: U3.2 127.67,27.49 v1(125.13,24.95)
  Bottom w0.127: v1(125.13,24.95) 120.17,24.95 119.79,24.57 110.14,24.57 108.74,25.97 103.28,25.97 98.84,21.52 88.22,21.52 83.34,16.65 83.34,9.21 81.94,7.81 81.94,5.9
/SHIELD: length 10.7
  Top w0.3: 13.29,7.94 v1(11.59,7.94) ; 13.46,29.02 v1(11.71,29.02)
  Bottom w0.6: J1.SH 10.95,10.73 11.71,11.49 13.29,11.49 J1.8
/TD+: length 75
  Top w0.127: 81.91,36.49 81.91,36.51 81.02,37.4 75.41,37.4 R3.1 74.33,36.23 70.42,32.32 28.61,32.32 19.23,22.95 J1.1
/TD-: length 69.6
  Top w0.127: J1.2 15.86,21.98 16.41,22.54 19.47,22.54 28.87,31.94 70.57,31.94 73.87,35.24 76.14,35.24 R5.1 ; R4.1 79.22,36.13 77.03,36.13
Net-(C1-Pad1): length 17.4
  Top w0.127: C1.1 70.26,15.81 68.74,17.33 X1.1 ; X1.1 68.74,18.1 70.13,19.49 71.32,19.49 R2.1 ; X1.1 68.74,17.47 67.09,15.81 63.62,15.81 X1A1.1
Net-(C12-Pad1): length 5.4
  Top w0.127: R6.2 23.82,14.29 C12.1 23.82,16.57 R10.2
Net-(J1-GLED-): length 92.8
  Top w0.127: 87.03,36.47 86.99,36.47 85.15,38.31 69.78,38.31 68.61,37.15 15.27,37.15 3.59,25.46 3.6,25.45 J1.10
  Top w0.3: 3.67,22.36 J1.10
Net-(J1-RCT): length 9.6
  Top w0.127: J1.5 14.51,19.06 14.51,19.87 15.02,20.38 17.68,20.38 18.7,21.4 C18.1
Net-(J1-TCT): length 5.2
  Top w0.127: C17.1 21,19.14 J1.4
Net-(J1-YLED-): length 26.3
  Top w0.127: J1.11 4.98,17.62 4.98,23.05 4.35,23.68 4.35,25.21 12.73,33.59 R23.2
Net-(U2-RBIAS): length 4.6
  Top w0.127: R1.2 75.09,23.9 v1(75.09,23.81) 75.09,23.55 76.15,22.49 U2.90
Net-(U2-TPETXDN): length 7.2
  Top w0.127: U2.76 82.06,31.89 81.12,32.83 78.3,32.83 v1(77.75,33.37) R5.2
Net-(U2-TPETXDP): length 4.5
  Top w0.127: 81.93,34.73 81.93,34.28 R7.1 83.36,32.85 v1(83.36,32.7) U2.74
Net-(U2-TPETXN): length 4.8
  Top w0.127: 79.73,33.91 80.61,33.91 v1(80.68,33.84) 82.71,31.81 U2.75
Net-(U2-TPETXP): length 9.5
  Top w0.127: U2.77 81.41,31.97 81.06,32.32 v1(76.23,32.32) 76.23,32.34 74.07,34.49
Net-(U2-XTAL1): length 19.5
  Top w0.127: U2.96 76.15,18.59 75.6,19.14 75.6,20.38 74.26,21.72 73.25,21.72 72.21,22.76 C2.2 67.47,22.79 66.44,21.77 X1.3 66.44,21.92 X1A1.2
Net-(U2-XTAL2): length 4.3
  Top w0.127: U2.97 76.26,17.94 v1(74.96,19.24) 74.96,19.33 R2.2

## Copper pours and planes (outline as drawn; the poured copper is in the pictures)
+5V on Top: 108.74,20.25 110.77,18.22 110.77,12.13 109.12,13.78 104.42,13.78 104.42,15.3 106.58,15.3 106.58,17.46 104.42,17.46 103.92,17.97 103.92,20.38 105.31,20.38 105.31,21.4 108.74,21.4
+5V on Top: 83.34,16.06 94.39,16.06 96.55,18.22 96.55,18.6 95.92,19.24 94.77,19.24 93.76,18.22 92.11,18.22 91.47,18.86 90.33,18.86 89.06,17.59 88.55,17.59 88.3,17.84 87.28,17.84 86.9,18.22 86.9,22.67 88.3,24.06 88.3,28.64 87.79,29.14 80.8,29.14 80.29,28.64 80.29,27.11 79.91,26.73 79.91,22.67 79.53,22.29 79.53,21.02 79.91,20.64 79.91,19.24 79.53,18.86 79.53,15.81 79.91,15.43 82.71,15.43
+5V on Top: 134.4,9.46 122.59,9.46 122.59,15.17 121.95,15.81 120.68,15.81 120.05,15.17 120.05,9.46 117.51,9.46 117.51,9.84 116.24,11.11 114.33,11.11 114.33,12.63 119.28,17.59 129.06,17.59 131.73,20.25 131.73,29.02 130.59,30.16 124.36,30.16 123.09,31.43 116.36,31.43 114.08,33.72 112.55,33.72 111.28,34.99 106.58,34.99 106.08,35.49 106.08,37.53 134.4,37.53
+5V on Top: 96.93,19.49 95.66,20.76 95.66,28 96.55,28.89 98.33,28.89 98.33,20 97.82,19.49
GND on Top: 106.71,30.54 106.71,29.91 105.95,29.14 105.95,25.46 105.31,24.83 104.3,24.83 103.03,23.56 103.03,23.05 102.01,23.05 102.01,29.4 99.34,32.07 99.34,33.72 103.54,33.72
GND on Bottom: 19.72,18.86 19.72,21.14 29.62,31.05 82.58,31.05 83.47,31.81 83.47,37.15 83.98,37.65 147.35,37.65 147.35,9.46 139.35,9.46 138.21,10.6 131.48,10.6 130.33,9.46 103.03,9.46 100.23,12.25 96.8,12.25 96.8,16.7 102.14,22.03 104.81,22.03 104.81,20.38 106.08,19.11 113.31,19.11 113.95,19.75 130.97,19.75 131.48,20.25 131.48,29.14 131.09,29.53 109.5,29.53 107.47,27.49 103.15,27.49 99.09,23.43 87.66,23.43 87.03,22.79 87.03,21.65 82.2,16.83 82.2,11.24 81.31,10.35 79.91,10.35 79.28,10.98 79.28,14.41 79.91,15.05 79.91,16.19 79.66,16.44 79.02,16.44 77.5,14.92 71.02,14.92 69.37,13.27 68.48,13.27 68.1,12.89 68.1,11.36 69.25,10.22 69.25,8.57 71.53,6.28 71.53,4.51 71.79,4.25 71.79,0.19 15.65,0.19 14,1.84 14,8.32 14.64,8.95 19.72,8.95 19.72,12.25 20.22,12.76 25.3,12.76 25.94,13.4 25.94,15.94 26.57,16.57 31.78,16.57 40.92,25.72 73.31,25.72 74.96,24.06 78.39,24.06 78.39,26.35 76.99,27.75 38.51,27.75 29.62,18.86
/SHIELD on Bottom: 1.17,0.19 10.44,0.19 12.1,1.84 12.1,10.22 17.81,10.22 17.94,27.11 12.1,27.11 12.1,37.02 10.44,38.67 1.17,38.67 0.41,37.91 0.41,0.95

## Text on the board
Bottom: 2024/01/01
Top: www.alxlab.com
F.Fab: MountingHole_3.2mm_M3_ISO14580_Pad_TopBottom | U2
F.Silkscreen: U2 | X1A | 6 | U1A | +
